# KiCad board Soldered Inkplate 6 FLICK.kicad_pcb
title: Soldered Inkplate 6 FLICK; date: 2024-05-20; rev: V1.2.0.; company: SOLDERED; note: 333317
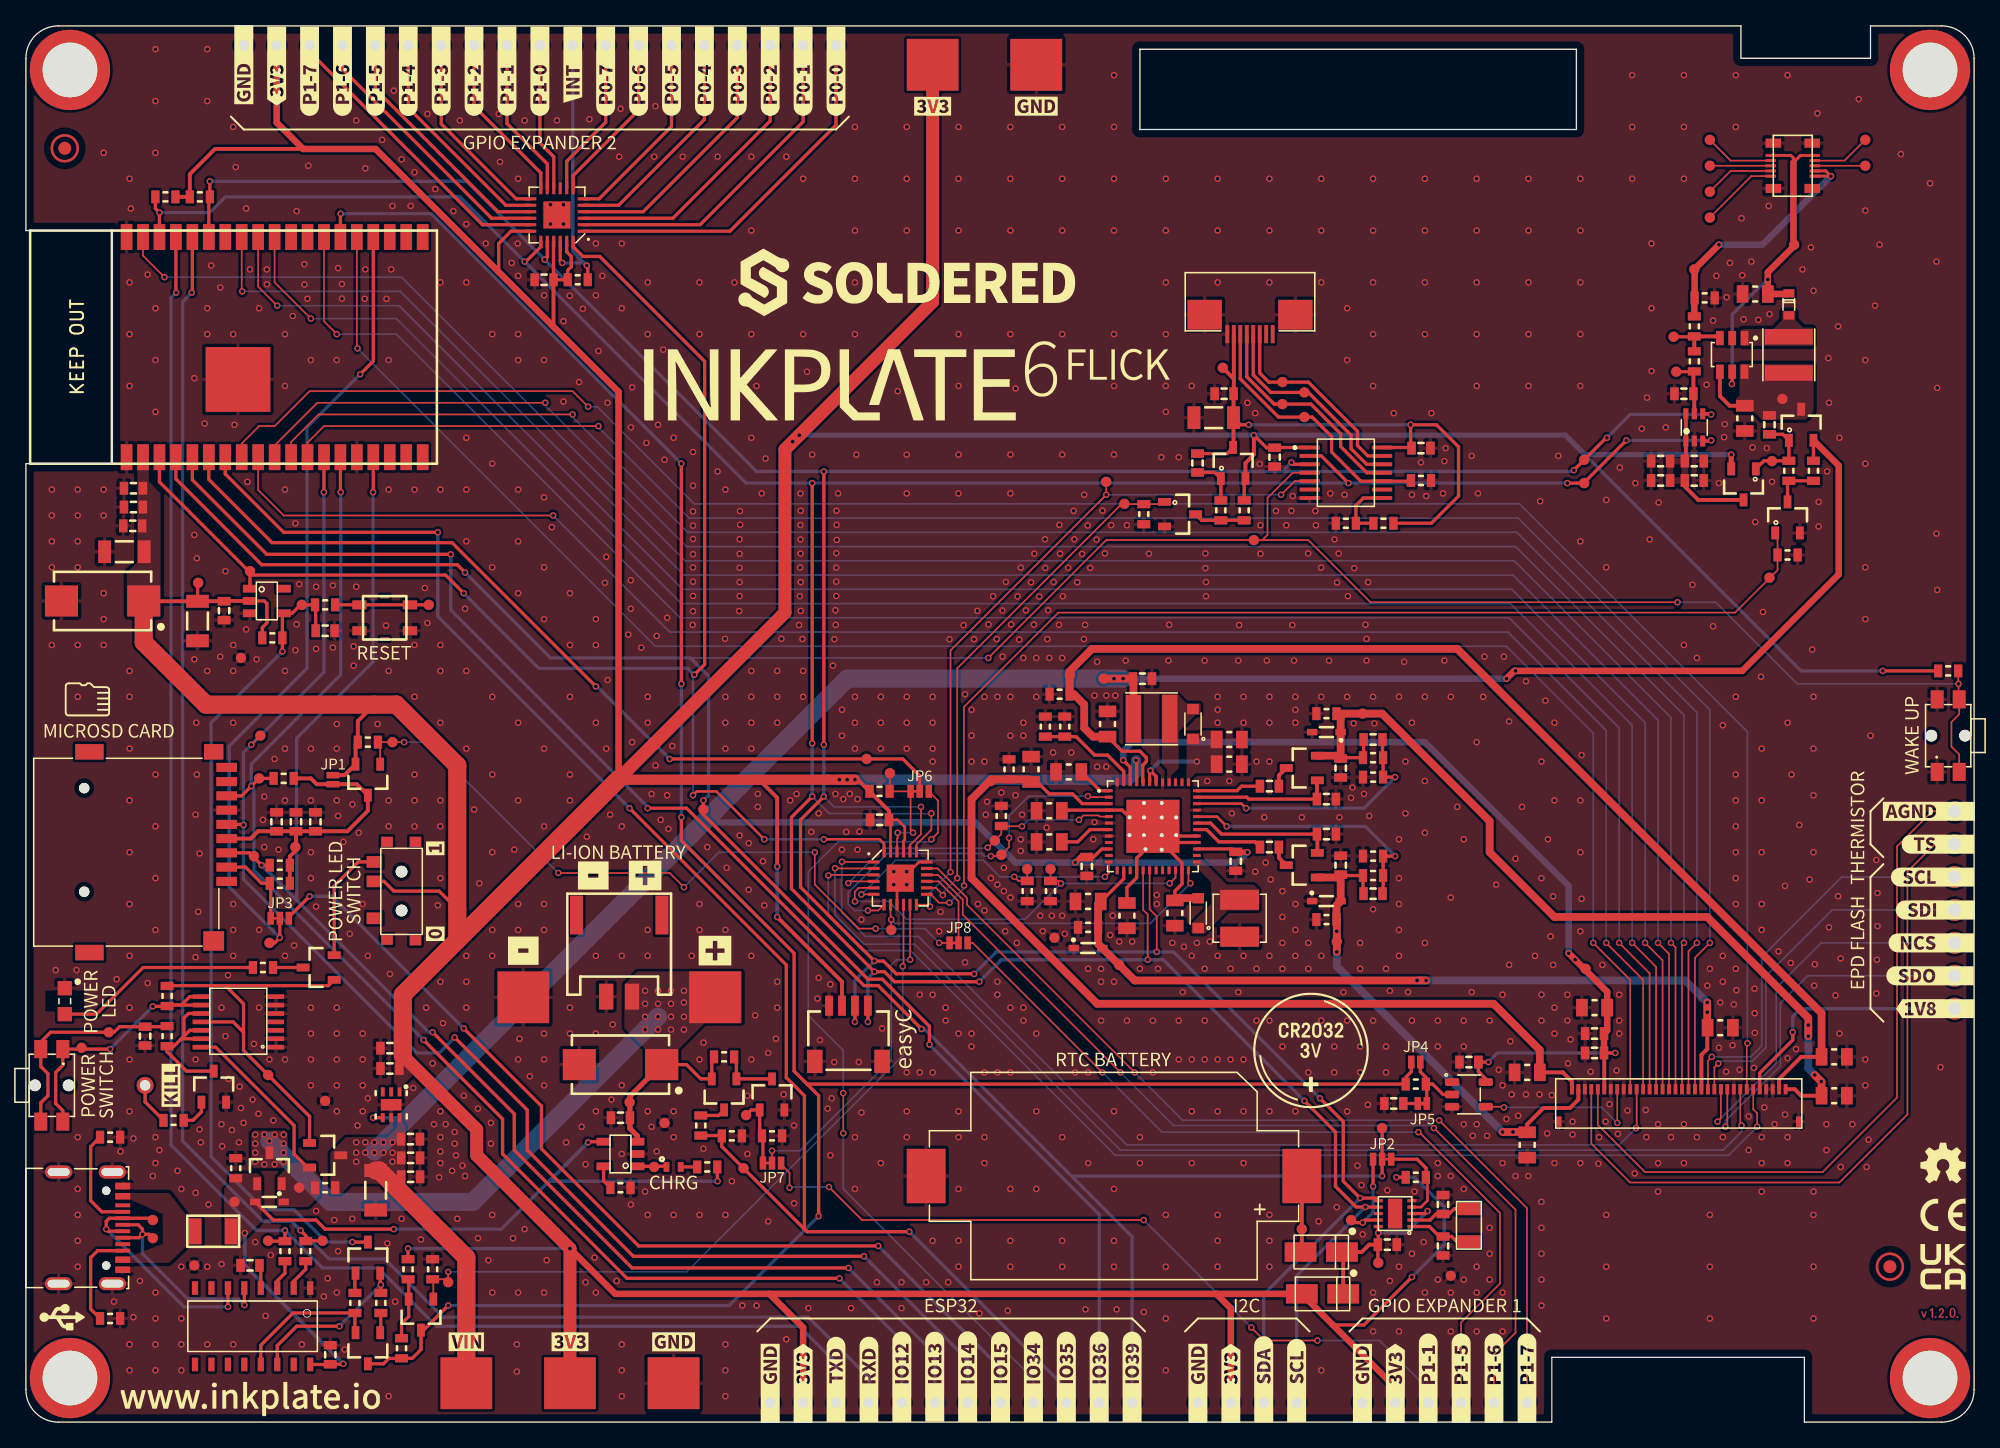
[diagram p0: board, top side]
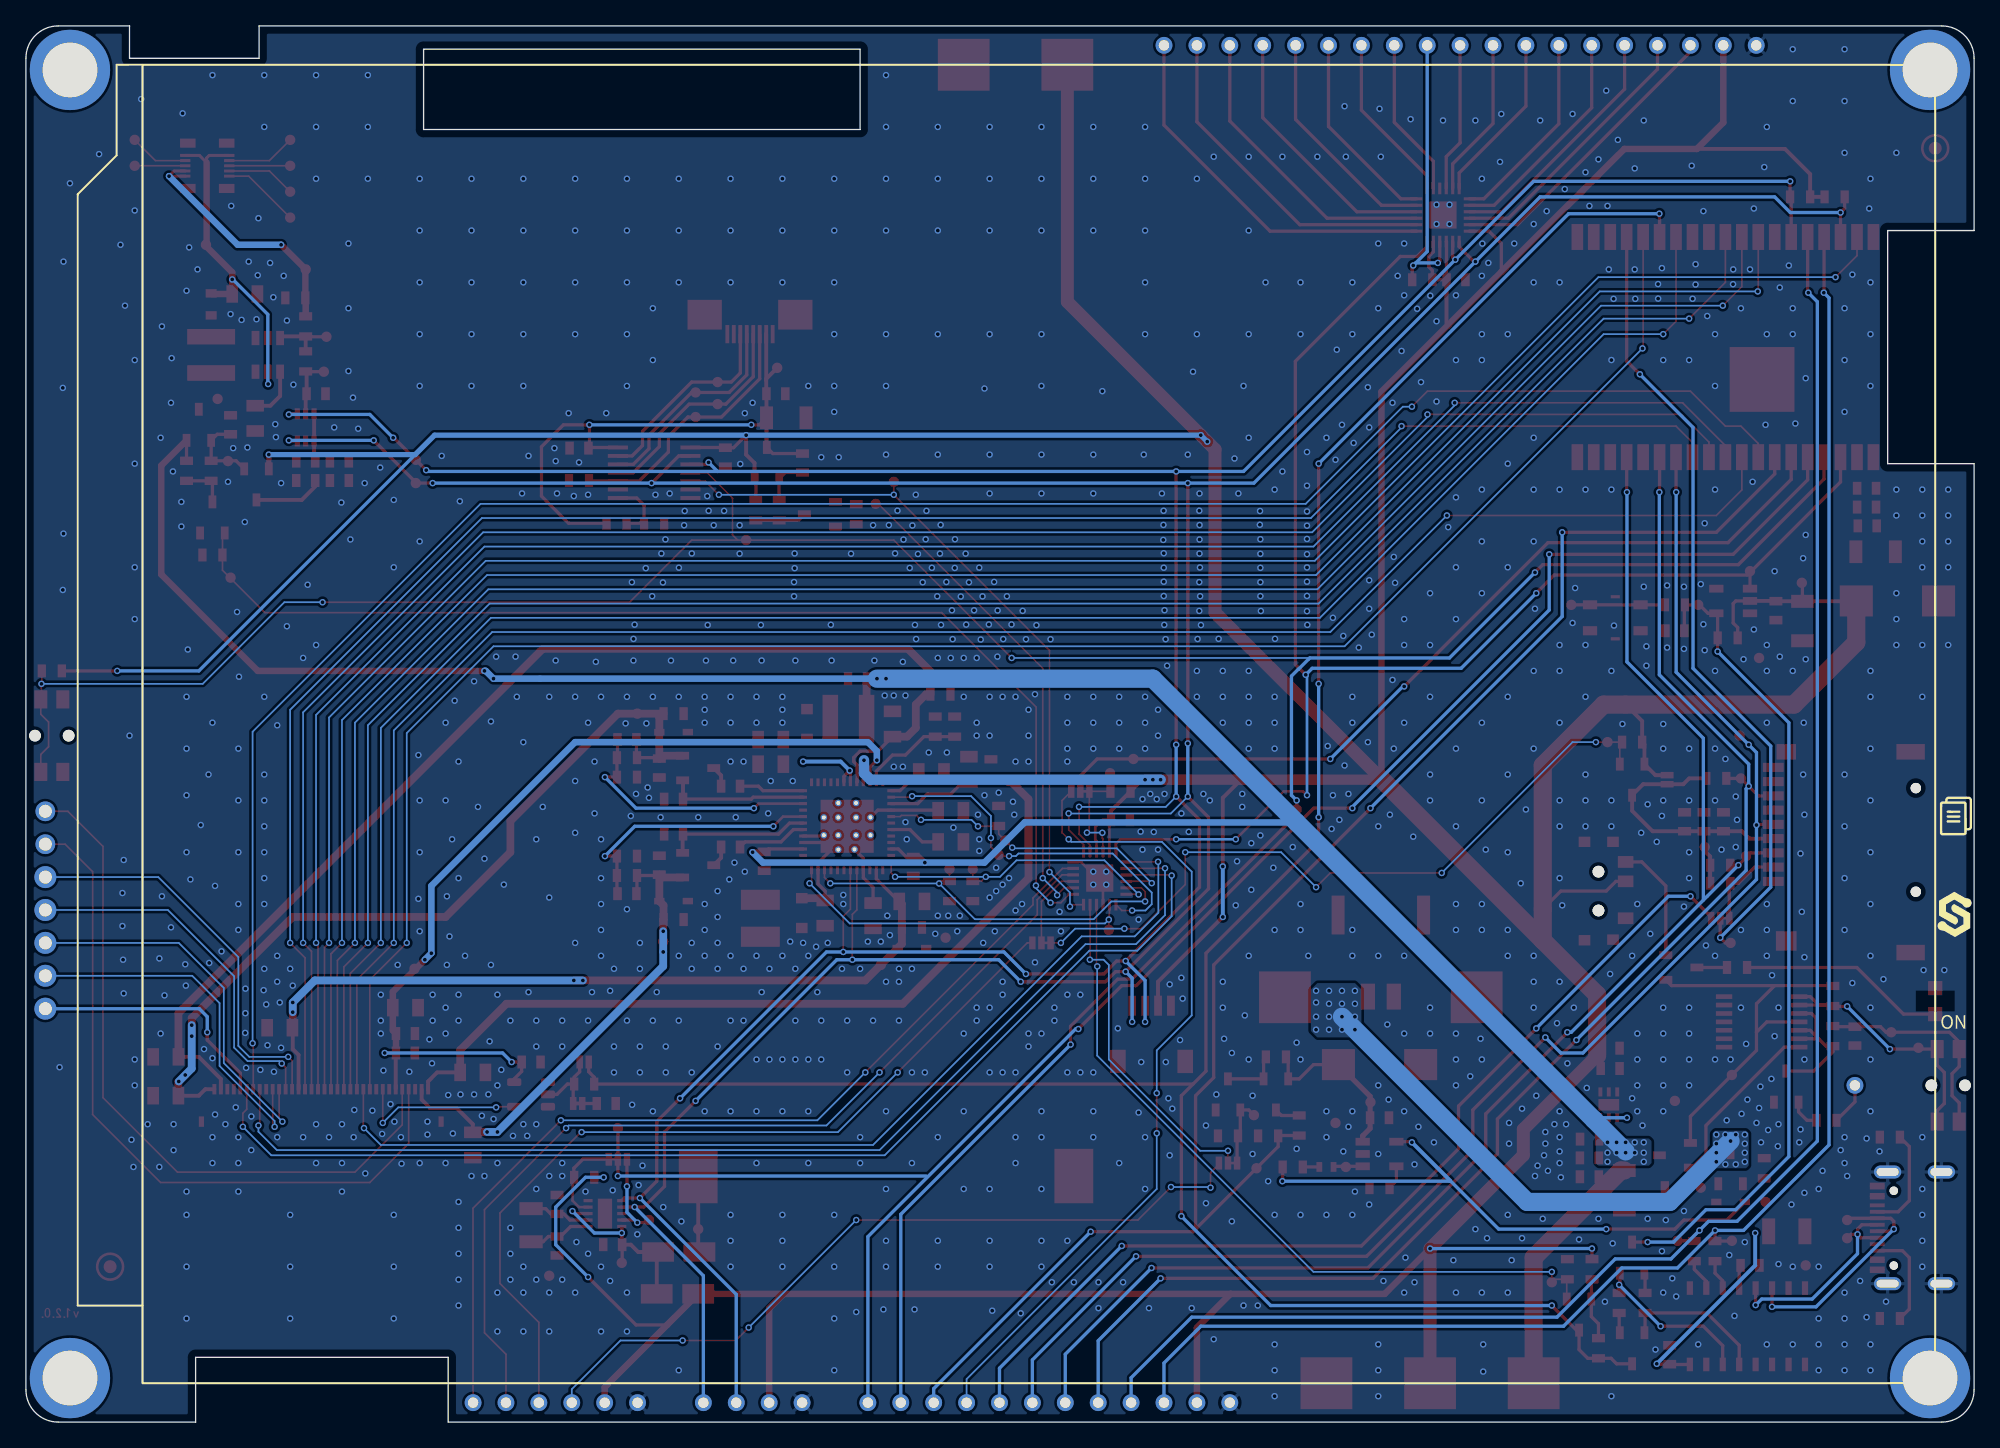
[diagram p1: board, bottom side, seen from below]

Outline 150.4 x 107.8 mm; copper layers: Top, Bottom. Coordinates in mm from the lower left corner of the outline.
Outline path: 0,105.3 arc(0.73,107.07) 2.5,107.8 132.4,107.8 132.4,105.3 142.4,105.3 142.4,107.8 147.9,107.8 arc(149.67,107.07) 150.4,105.3 150.4,2.5 arc(149.67,0.73) 147.9,0 137.3,0 137.3,5 117.8,5 117.8,0 2.5,0 arc(0.73,0.73) 0,2.5 0,74 6.67,74 6.67,92 0,92 0,105.3 ; 86,106 86,99.8 119.7,99.8 119.7,106 86,106
Stack: Top 0.035mm / dielectric 1.51mm FR4 er 4.5 / Bottom 0.035mm

## Placement (name value [footprint] x y rotation side)
C1  4u7-TMK212AB7475KG-T  [0805C]  80.5 50.2 0 top
C2  4u7-TMK212AB7475KG-T  [0805C]  77.6 50.4 270 top
C3  4u7-TMK212AB7475KG-T  [0805C]  79 47.2 0 top
C4  4u7-TMK212AB7475KG-T  [0805C]  79 44.8 0 top
C5  10u-GRM188R61E106KA73J  [0603C]  81.9 42.9 90 top
C6  4u7-TMK212AB7475KG-T  [0805C]  82 40.2 0 top
C7  4u7-TMK212AB7475KG-T  [0805C]  85 39.1 90 top
C8  10u-GRM188R61E106KA73J  [0603C]  93.4 43.3 90 top
C9  4u7-TMK212AB7475KG-T  [0805C]  88.7 39.3 270 top
C10  10u-GRM188R61E106KA73J  [0603C]  86.2 57.4 180 top
C11  4u7-TMK212AB7475KG-T  [0805C]  92.9 50.8 0 top
C12  4u7-TMK212AB7475KG-T  [0805C]  92.9 52.7 180 top
C13  4u7-TMK212AB7475KG-T  [0805C]  83.5 53.9 270 top
C14  2u2-GRM188R61E225MA12D  [0603C]  101.5 50.5 90 top
C15  2u2-GRM188R61E225MA12D  [0603C]  101.5 43 270 top
C16  100p  [0603C]  104 52.7 180 top
C17  100p  [0603C]  104 40.8 180 top
C18  10n-AC0603KRX7R8BB103  [0603C]  96 44.4 180 top
C19  10n-AC0603KRX7R8BB103  [0603C]  96 49.1 0 top
C20  100n-AC0603KRX7R8BB104  [0603C]  100.4 48.1 180 top
C21  100n-AC0603KRX7R8BB104  [0603C]  100.4 45.4 180 top
C22  100n  [0603C]  23.5 5.2 270 top
C23  100n  [0603C]  17.3 12.1 0 top
C24  10u  [1206C]  13.25 61.85 90 top
C25  100n  [0603C]  15.3 62.65 90 top
C26  2u2  [0603C]  23.1 61.1 180 top
C27  10u  [1206C]  27 17.9 90 top
C28  2u2  [0603C]  29.7 18.94 180 top
C29  100n  [0603C]  29.7 20.4 180 top
C30  100n  [0603C]  29.69 21.85 180 top
C31  100n  [0603C]  9.2 29.8 90 top
C32  DNP  [2917C]  45.9 27.6 180 top
C33  2u2  [0603C]  45.9 23.5 0 top
C34  100n  [0603C]  28.1 28.87 0 top
C35  2u2  [0603C]  28.1 27.3 0 top
C36  12p  [0603C]  109.4 13.6 90 top
C37  12p  [0603C]  109.4 16.8 270 top
C38  2u2  [0603C]  22.35 46.35 270 top
C39  100n  [0603C]  19.35 46.35 270 top
C40  100n  [0603C]  20.85 46.35 270 top
C41  100n  [0603C]  105.1 13.7 180 top
C42  100n  [0603C]  96.4 74.5 90 top
C43  100n  [0603C]  90.45 74.05 90 top
C44  10u  [1206C]  91.7 77.55 180 top
C45  100n  [0603C]  107.7 75.2 0 top
C46  4u7  [0603C]  126.2 72.7 180 top
C47  1u  [0603C]  128.8 72.7 0 top
C48  100n  [0603C]  126.2 74.2 180 top
C49  100n  [0603C]  128 79.4 0 top
C50  100n  [0603C]  128.8 74.2 180 top
C51  CL21B105KBFNNNG  [0805C]  133.5 87.1 0 top
C52  100n  [0603C]  134.6 77 90 top
C53  100n  [0603C]  92.5 79.4 0 top
C54  CL21B105KBFNNNG  [0805C]  132.7 77.5 90 top
C55  4u7-TMK212AB7475KG-T  [0805C]  121.1 32 0 top
C56  4u7-TMK212AB7475KG-T  [0805C]  115.9 27 0 top
C57  4u7-TMK212AB7475KG-T  [0805C]  115.9 21.4 90 top
C58  4u7-TMK212AB7475KG-T  [0805C]  130.8 30.45 180 top
C59  4u7-TMK212AB7475KG-T  [0805C]  139.6 28.2 180 top
C60  4u7-TMK212AB7475KG-T  [0805C]  139.6 25.2 180 top
C61  100p  [0603C]  105.6 24.6 0 top
C62  100n  [0603C]  121.1 30 180 top
C63  100n  [0603C]  121.1 28.5 180 top
C64  100n  [0603C]  111.4 27.8 0 top
C65  100n  [0603C]  65.9 46.5 0 top
C66  10u  [1206C]  7.6 67.2 0 top
C67  2u2  [0603C]  8.25 69.2 0 top
C68  100n  [0603C]  8.3 70.65 0 top
C69  100n  [0603C]  8.3 72.1 0 top
C70  DNP  [2917C]  5.92 63.4 180 top
C71  100n  [0603C]  40 88.2 0 top
D1  CUS10F30,H3F  [SOD-323-2]  90.5 39.3 90 top
D2  BAT20J  [SOD-323]  100.4 53.27 180 top
D3  BAT20J  [SOD-323]  82 36.6 0 top
D4  CUS10F30,H3F  [SOD-323-2]  90.1 53.9 90 top
D5  BAT20J  [SOD-323]  100.4 40.23 0 top
D6  BAT54S  [SOT-23-3]  98.5 43 180 top
D7  BAT54S  [SOT-23-3]  98.5 50.5 180 top
D8  0603LED_SIDE  [LTST-S270GKT]  3 32.5 90 top
D9  BAT20J  [SOD-323#2]  18.8 17 0 top
D10  RED  [0402LED]  50 19.7 180 top
D11  -  [M4_DIODA]  100.1 9.9 0 top
D12  -  [M4_DIODA]  100 13.13 0 top
D13  RB510SM-40FHT2R  [SOD-523]  136.1 86.3 0 top
F1  1206FUSE-500mA  [1206FUSE]  14.46 14.73 180 top
FD1  FIDUCIAL  [FIDUCIAL_23]  143.9 12 0 top
FD2  FIDUCIAL  [FIDUCIAL_23]  3 98.35 0 top
G***  LOGO  [Logo-Front-OSH-3.5mm]  148 20 0 top
G***#2  LOGO  [Logo-Front-easyC-NewFont]  67.9 29.6 90 top
G***#3  LOGO  [Symbol-Front-SDcard]  4.75 55.8 270 top
G***#4  LOGO  [Logo-Back-Soldered-3.5mm]  1.5 39.2 0 top
G***#5  LOGO  [Symbol-Front-USB]  2.8 8.1 270 top
G***#6  LOGO  [Symbol-Front-EPD]  1.4 46.8 180 bottom
H1  -  [Standoff_M3]  3.4 3.4 0 top
H2  -  [Standoff_M3]  147 3.4 0 top
H3  -  [Standoff_M3]  147 104.4 0 top
H4  -  [Standoff_M3]  3.4 104.4 0 top
JP1  -  [SMD_JUMPER]  23.7 49.6 90 top
JP2  -  [SMD_JUMPER_3_PAD_CONNECTED_LEFT_TRACE]  19.6 38.9 0 top
JP3  -  [SMD_JUMPER_3_PAD_CONNECTED_LEFT_TRACE]  104.7 20.3 180 top
JP4  -  [SMD_JUMPER]  107.3 27.8 0 top
JP5  -  [SMD-JUMPER-CONNECTED_TRACE_SOLDERMASK]  107.8 24.6 0 top
JP6  -  [SMD_JUMPER_3_PAD_CONNECTED_LEFT_TRACE]  69 48.7 0 top
JP7  -  [SMD_JUMPER_3_PAD_CONNECTED_LEFT_TRACE]  72 37 0 top
JP8  -  [SMD_JUMPER_3_PAD_CONNECTED_LEFT_TRACE]  57.6 20 0 top
K1  -  [U262-161N-4BVC11]  3 15 90 top
K2  easyC-SMD  [easyC-connector]  63.5 30 180 top
K3  -  [HEADER_MALE_1X1_Inkplate]  93.02 1.5 180 top
K4  -  [HEADER_MALE_1X1_Inkplate]  98.1 1.5 180 top
K5  -  [HEADER_MALE_1X1_Inkplate]  95.56 1.5 180 top
K6  -  [HEADER_MALE_1X1_Inkplate]  90.48 1.5 180 top
K7  -  [HEADER_MALE_1X1_Inkplate]  9.2 26 0 top
K8  -  [JST-2pin-SMD]  45.8 36 0 top
K9  -  [HYC77-TF09-200]  10 44 270 top
K10  CR2032_BS-6-1  [CR2032-BS-6-1]  84 19 0 top
K11  -  [AXT310124]  136.4 97 90 top
K12  -  [SFV8R-1STBE1HLF]  94.5 84 180 top
K13  -  [HEADER_MALE_2X1]  148.9 45.89 270 top
K14  -  [HEADER_MALE_5X1]  148.9 37 90 top
K15  -  [FH34SRJ-34S-0.5SH(50)]  127.6 25.7 0 top
K16  -  [HEADER_MALE_1X1_Inkplate]  77.78 1.5 180 top
K17  -  [HEADER_MALE_1X1_Inkplate]  60 1.5 0 top
K18  -  [HEADER_MALE_1X1_Inkplate]  57.46 1.5 0 top
K19  -  [HEADER_MALE_1X1_Inkplate]  80.32 1.5 180 top
K20  -  [HEADER_MALE_1X1_Inkplate]  62.54 1.5 180 top
K21  -  [HEADER_MALE_1X1_Inkplate]  113.34 1.5 180 top
K22  -  [HEADER_MALE_1X1_Inkplate]  115.88 1.5 180 top
K23  -  [HEADER_MALE_1X1_Inkplate]  65.08 1.5 180 top
K24  -  [HEADER_MALE_1X1_Inkplate]  72.7 1.5 180 top
K25  -  [HEADER_MALE_1X1_Inkplate]  67.62 1.5 180 top
K26  -  [HEADER_MALE_1X1_Inkplate]  70.16 1.5 180 top
K27  -  [HEADER_MALE_1X1_Inkplate]  110.8 1.5 180 top
K28  -  [HEADER_MALE_1X1_Inkplate]  108.26 1.5 180 top
K29  -  [HEADER_MALE_1X1_Inkplate]  62.54 106.3 180 top
K30  -  [HEADER_MALE_1X1_Inkplate]  60 106.3 180 top
K31  -  [HEADER_MALE_1X1_Inkplate]  57.46 106.3 180 top
K32  -  [HEADER_MALE_1X1_Inkplate]  54.92 106.3 180 top
K33  -  [HEADER_MALE_1X1_Inkplate]  52.38 106.3 180 top
K34  -  [HEADER_MALE_1X1_Inkplate]  49.84 106.3 180 top
K35  -  [HEADER_MALE_1X1_Inkplate]  47.3 106.3 180 top
K36  -  [HEADER_MALE_1X1_Inkplate]  44.76 106.3 180 top
K37  -  [HEADER_MALE_1X1_Inkplate]  85.4 1.5 180 top
K38  -  [HEADER_MALE_1X1_Inkplate]  82.86 1.5 180 top
K39  -  [HEADER_MALE_1X1_Inkplate]  75.24 1.5 180 top
K40  -  [HEADER_MALE_1X1_Inkplate]  42.22 106.3 180 top
K41  -  [HEADER_MALE_1X1_Inkplate]  105.72 1.5 0 top
K42  -  [HEADER_MALE_1X1_Inkplate]  103.18 1.5 0 top
K43  -  [HEADER_MALE_1X1_Inkplate]  39.68 106.3 180 top
K44  -  [HEADER_MALE_1X1_Inkplate]  37.14 106.3 180 top
K45  -  [HEADER_MALE_1X1_Inkplate]  34.6 106.3 180 top
K46  -  [HEADER_MALE_1X1_Inkplate]  32.06 106.3 180 top
K47  -  [HEADER_MALE_1X1_Inkplate]  29.52 106.3 180 top
K48  -  [HEADER_MALE_1X1_Inkplate]  26.98 106.3 180 top
K49  -  [HEADER_MALE_1X1_Inkplate]  24.44 106.3 180 top
K50  -  [HEADER_MALE_1X1_Inkplate]  21.9 106.3 180 top
K51  -  [HEADER_MALE_1X1_Inkplate]  19.36 106.3 180 top
K52  -  [HEADER_MALE_1X1_Inkplate]  16.82 106.3 180 top
kibuzzard-63F89A8C  G***  [kibuzzard-63F89A8C]  145.6 53 90 top
kibuzzard-63F89AAD  G***  [kibuzzard-63F89AAD]  84 28 0 top
kibuzzard-63F89AC1  G***  [kibuzzard-63F89AC1]  50 6.2 0 top
kibuzzard-63F89AC1#2  G***  [kibuzzard-63F89AC1]  78 101.6 0 top
kibuzzard-63F89ACB  G***  [kibuzzard-63F89ACB]  42 6.2 0 top
kibuzzard-63F89ACB#2  G***  [kibuzzard-63F89ACB]  70 101.6 0 top
kibuzzard-63F89AD4  G***  [kibuzzard-63F89AD4]  34 6.2 0 top
kibuzzard-63F89AE1  G***  [kibuzzard-63F89AE1]  50 18.5 0 top
kibuzzard-63F89AEB  G***  [kibuzzard-63F89AEB]  45.8 44 0 top
kibuzzard-63F89B38  G***  [kibuzzard-63F89B38]  31.6 37.7 90 top
kibuzzard-63F89B49  G***  [kibuzzard-63F89B49]  31.6 44.3 90 top
kibuzzard-63F89F9C  G***  [kibuzzard-63F89F9C]  53.2 36.4 0 top
kibuzzard-63F89F95  G***  [kibuzzard-63F89F95]  47.8 42.2 0 top
kibuzzard-63F89FA3  G***  [kibuzzard-63F89FA3]  43.8 42.2 0 top
kibuzzard-63F89FAA  G***  [kibuzzard-63F89FAA]  38.4 36.4 0 top
kibuzzard-63F89728  G***  [kibuzzard-63F89728]  11.2 26 90 top
kibuzzard-63F89858  G***  [kibuzzard-63F89858]  71.43 9 0 top
kibuzzard-65560DD7  G***  [kibuzzard-65560DD7]  1.6 30.9 180 bottom
kibuzzard-65560E5E  G***  [kibuzzard-65560E5E]  19.6 40.1 0 top
kibuzzard-65560E6D  G***  [kibuzzard-65560E6D]  23.7 50.8 0 top
kibuzzard-65560EA2  G***  [kibuzzard-65560EA2]  57.6 18.9 0 top
kibuzzard-65560EC9  G***  [kibuzzard-65560EC9]  72 38.2 0 top
kibuzzard-65560F4D  G***  [kibuzzard-65560F4D]  69 49.9 0 top
kibuzzard-65560F7C  G***  [kibuzzard-65560F7C]  107.3 29 0 top
kibuzzard-65560FAB  G***  [kibuzzard-65560FAB]  107.8 23.4 0 top
kibuzzard-65560FCB  G***  [kibuzzard-65560FCB]  104.7 21.5 0 top
kibuzzard-65561A0E  G***  [kibuzzard-65561A0E]  113.34 3.4 90 top
kibuzzard-65561A24  G***  [kibuzzard-65561A24]  115.88 3.4 90 top
kibuzzard-65561A56  G***  [kibuzzard-65561A56]  21.9 104.3 90 top
kibuzzard-65561A76  G***  [kibuzzard-65561A76]  44.76 104.3 90 top
kibuzzard-65561A88  G***  [kibuzzard-65561A88]  47.3 104.3 90 top
kibuzzard-65561AB2  G***  [kibuzzard-65561AB2]  24.44 104.3 90 top
kibuzzard-65561ABA  G***  [kibuzzard-65561ABA]  26.98 104.3 90 top
kibuzzard-65561AC2  G***  [kibuzzard-65561AC2]  29.52 104.3 90 top
kibuzzard-65561ACC  G***  [kibuzzard-65561ACC]  32.06 104.3 90 top
kibuzzard-65561AD5  G***  [kibuzzard-65561AD5]  34.6 104.3 90 top
kibuzzard-65561AE0  G***  [kibuzzard-65561AE0]  37.14 104.3 90 top
kibuzzard-65561AE8  G***  [kibuzzard-65561AE8]  39.68 104.3 90 top
kibuzzard-65561AF6  G***  [kibuzzard-65561AF6]  49.84 104.3 90 top
kibuzzard-65561B2D  G***  [kibuzzard-65561B2D]  57.46 104.3 90 top
kibuzzard-65561B09  G***  [kibuzzard-65561B09]  52.38 104.3 90 top
kibuzzard-65561B26  G***  [kibuzzard-65561B26]  54.92 104.3 90 top
kibuzzard-65561B35  G***  [kibuzzard-65561B35]  60 104.3 90 top
kibuzzard-65561B41  G***  [kibuzzard-65561B41]  62.54 104.3 90 top
kibuzzard-65561B57  G***  [kibuzzard-65561B57]  42.22 104.8 90 top
kibuzzard-65561DE5  G***  [kibuzzard-65561DE5]  147.2 42.08 0 top
kibuzzard-65561DF9  G***  [kibuzzard-65561DF9]  147.4 39.54 0 top
kibuzzard-65561E0C  G***  [kibuzzard-65561E0C]  147 34.46 0 top
kibuzzard-65561E1E  G***  [kibuzzard-65561E1E]  147.4 31.92 0 top
kibuzzard-65561E03  G***  [kibuzzard-65561E03]  147.1 37 0 top
kibuzzard-65647A0D  G***  [kibuzzard-65647A0D]  146.9 47.16 0 top
kibuzzard-65647A02  G***  [kibuzzard-65647A02]  147.6 44.62 0 top
kibuzzard-655603AE  G***  [kibuzzard-655603AE]  6.4 32.5 90 top
kibuzzard-655616C1  G***  [kibuzzard-655616C1]  94.29 9 0 top
kibuzzard-655616E7  G***  [kibuzzard-655616E7]  109.53 9 0 top
kibuzzard-655618EE  G***  [kibuzzard-655618EE]  62.54 3.3 90 top
kibuzzard-655619A9  G***  [kibuzzard-655619A9]  82.86 3.5 90 top
kibuzzard-655619B1  G***  [kibuzzard-655619B1]  85.4 3.5 90 top
kibuzzard-655619BF  G***  [kibuzzard-655619BF]  95.56 3.3 90 top
kibuzzard-655619C8  G***  [kibuzzard-655619C8]  98.1 3.2 90 top
kibuzzard-655619E4  G***  [kibuzzard-655619E4]  108.26 3.4 90 top
kibuzzard-655619F2  G***  [kibuzzard-655619F2]  110.8 3.4 90 top
kibuzzard-656479A8  G***  [kibuzzard-656479A8]  141.4 45.89 90 top
kibuzzard-656479D1  G***  [kibuzzard-656479D1]  141.4 37 90 top
kibuzzard-6556039F  G***  [kibuzzard-6556039F]  5 32.5 90 top
kibuzzard-6556039F#2  G***  [kibuzzard-6556039F]  4.8 26 90 top
kibuzzard-6556119D  G***  [kibuzzard-6556119D]  27.7 59.4 0 top
kibuzzard-6556183B  G***  [kibuzzard-6556183B]  103.18 3 90 top
kibuzzard-6556188F  G***  [kibuzzard-6556188F]  93.02 3 90 top
kibuzzard-6556197A  G***  [kibuzzard-6556197A]  77.78 3.5 90 top
kibuzzard-65560380  G***  [kibuzzard-65560380]  6.42 53.38 0 top
kibuzzard-65560429  G***  [kibuzzard-65560429]  6.2 26 90 top
kibuzzard-65561107  G***  [kibuzzard-65561107]  23.9 41 90 top
kibuzzard-65561113  G***  [kibuzzard-65561113]  25.3 41 90 top
kibuzzard-65561706  G***  [kibuzzard-65561706]  39.68 98.8 0 top
kibuzzard-65561816  G***  [kibuzzard-65561816]  57.46 3 90 top
kibuzzard-65561831  G***  [kibuzzard-65561831]  90.48 3 90 top
kibuzzard-65561847  G***  [kibuzzard-65561847]  16.82 104.8 90 top
kibuzzard-65561857  G***  [kibuzzard-65561857]  19.36 104.7 90 top
kibuzzard-65561874  G***  [kibuzzard-65561874]  60 3 90 top
kibuzzard-65561898  G***  [kibuzzard-65561898]  105.72 3 90 top
kibuzzard-65561923  G***  [kibuzzard-65561923]  65.08 3.3 90 top
kibuzzard-65561939  G***  [kibuzzard-65561939]  67.62 3.5 90 top
kibuzzard-65561947  G***  [kibuzzard-65561947]  70.16 3.5 90 top
kibuzzard-65561959  G***  [kibuzzard-65561959]  72.7 3.5 90 top
kibuzzard-65561965  G***  [kibuzzard-65561965]  75.24 3.5 90 top
kibuzzard-65561998  G***  [kibuzzard-65561998]  80.32 3.5 90 top
L1  LQH44PN4R7MP0L  [1515L]  93.7 38.9 90 top
L2  NR4012T2R2M  [NR4012]  86.9 54.3 0 top
L3  NR4012T220M  [NR4012]  136.1 82.4 270 top
PAD1  -  [PAD_4x4]  34 3 0 top
PAD2  -  [PAD_4x4]  70 104.8 0 top
PAD3  -  [PAD_4x4]  42 3 0 top
PAD4  -  [PAD_4x4]  78 104.8 0 top
PAD5  -  [PAD_4x4]  50 3 0 top
PAD6  -  [PAD_4x4]  53.2 32.8 0 top
PAD7  -  [PAD_4x4]  38.4 32.8 0 top
Q1  DNP  [SOT-23-3]  30.5 8.3 270 top
Q2  NMOS  [SOT-23-3]  57.6 25.3 90 top
Q3  PMOS  [SOT-23-3]  53.9 25.3 270 top
Q4  NPN  [SOT-23-3]  26.4 12.7 90 top
Q5  NPN  [SOT-23-3]  26.4 5.7 270 top
Q6  PMOS  [SOT-23-3]  22.6 35.1 180 top
Q7  SSM3J358R,LF  [SOT-23-3]  18.8 19.6 90 top
Q8  NPN  [SOT-23-3]  14.5 25.9 90 top
Q9  SSM3J358R,LF  [SOT-23-3]  23.1 20.6 0 top
Q10  PMOS  [SOT-23-3]  26.4 49.6 270 top
Q11  NMOS  [SOT-23-3#2]  89.1 70.1 180 top
Q12  PMOS  [SOT-23-3#2]  93.2 74.05 270 top
Q13  PMOS  [SOT-23-3#2]  132.6 72.4 90 top
Q14  NMOS  [SOT-23-3#2]  136 69.85 270 top
Q15  PMOS  [SOT-23-3#2]  137.05 77 270 top
R1  NTC-NCP18XH103F03RB  [0603R]  78.7 53.7 270 top
R2  43k-RC0603FR-0743KL  [0603R]  80.2 53.7 270 top
R3  10k  [0603R]  10.77 94.6 0 top
R4  10k  [0603R]  13.43 94.6 180 top
R5  100k  [0603R]  75.3 46.8 90 top
R6  100k  [0603R]  77.3 41 270 top
R7  100k  [0603R]  79.1 41 270 top
R8  4k7  [0603R]  75.9 50.4 90 top
R9  4k7  [0603R]  79.8 56.2 180 top
R10  4k7  [0603R]  100.4 54.7 0 top
R11  4k7  [0603R]  82 38.2 0 top
R12  4k7  [0603R]  100.4 38.8 0 top
R13  1M  [0603R]  104 51.3 180 top
R14  47k5-RC0603FR-0747K5L  [0603R]  104 49.8 0 top
R15  1M  [0603R]  104 42.2 180 top
R16  52k3-RC0603FR-0752K3L  [0603R]  104 43.7 0 top
R17  5k1  [0603R]  6.5 8 0 top
R18  5k1  [0603R]  6.5 22 0 top
R19  DNP  [0603R]  31.4 11.8 270 top
R20  1k  [0603R]  29.5 11.8 90 top
R21  0R  [0603R]  29 5.7 90 top
R22  1k  [0603R]  20 13.2 90 top
R23  1k  [0603R]  21.6 13.2 90 top
R24  100k  [0603R]  57.6 22.1 180 top
R25  510k  [0603R]  53.9 28.2 180 top
R26  47R  [0603R]  23.1 63.1 180 top
R27  100k  [0603R]  52.1 22.9 90 top
R28  100k  [0603R]  54.5 22.1 180 top
R29  47k  [0603R]  19.03 60.55 180 top
R30  33k  [0603R]  25.4 9.2 270 top
R31  33k  [0603R]  27.4 9.2 90 top
R32  1k  [0603R]  18.3 35.1 180 top
R33  100k  [0603R]  16.2 19.6 270 top
R34  1k  [0603R]  11.4 23.3 180 top
R35  100k  [0603R]  10.9 32.9 90 top
R36  DNP  [0603R]  23.1 18.1 0 top
R37  100k  [0603R]  10.9 29.8 270 top
R38  1k  [0603R]  52.6 19.7 180 top
R39  2k49  [0603R]  45.9 18.1 0 top
R40  100k  [0603R]  26.4 52.5 0 top
R41  100k  [0603R]  148.4 58 180 top
R42  100k  [0603R]  19.6 41.6 0 top
R43  100k  [0603R]  19.6 43 0 top
R44  10k  [0603R]  107.3 18.9 180 top
R45  100k  [0603R]  19.9 49.7 0 top
R46  100k  [0603R]  86.3 70.1 90 top
R47  100k  [0603R]  94.05 70.4 90 top
R48  100k  [0603R]  92.25 70.4 270 top
R49  10k  [0603R]  104.8 69.4 0 top
R50  100k  [0603R]  101.9 69.4 180 top
R51  100k  [0603R]  136 66.95 180 top
R52  100k  [0603R]  138 73.45 90 top
R53  100k  [0603R]  136.1 73.45 90 top
R54  15R  [0603R]  129.6 86.8 180 top
R55  5k1  [0603R]  128.8 84.6 270 top
R56  47k  [0603R]  128.8 81.9 270 top
R57  100k  [0603R]  107.7 72.7 0 top
R58  47R  [0603R]  107.3 26.1 0 top
R59  10k  [0603R]  65.9 48.7 0 top
R60  10k  [0603R]  42.6 88.2 0 top
REF**  -  [Version1.2.0]  147.8 8.4 0 top
REF**#2  -  [Logo-Front-UKCA-3.5mm]  148 12 0 top
REF**#3  -  [Logo-Front-SolderedFULL-26mm]  68 88 0 top
REF**#4  -  [Logo-Front-CE-3.5mm]  148 16 0 top
REF**#5  -  [Symbol-Front-CR2032]  99.2 28.7 0 top
REF**#6  -  [Logo-Front-InkplateWebPage-20mm]  17.33 1.78 0 top
REF**#7  -  [Logo-Front-Inkplate-6-FLICK]  68 81 0 top
S1  -  [SK-3296S-01-L1]  29 41 270 top
SW1  -  [YTSA007A0151803B]  27.7 62.1 180 top
SW2  -  [K2-1114SA-A4SW-06]  2 26 270 top
SW3  -  [K2-1114SA-A4SW-06]  148.4 53 90 top
TP1  -  [Test_Point_SMD_0.8mm]  130 93 0 top
TP2  -  [Test_Point_SMD_0.8mm]  130 95 0 top
TP3  -  [Test_Point_SMD_0.8mm]  142 97 0 top
TP4  -  [Test_Point_SMD_0.8mm]  130 97 0 top
TP5  -  [Test_Point_SMD_0.8mm]  142 99 0 top
TP6  -  [Test_Point_SMD_0.8mm]  130 99 0 top
TP7  -  [Test_Point_SMD_0.8mm]  120.3 72.5 0 top
TP8  -  [Test_Point_SMD_0.8mm]  120.3 74.3 0 top
TP9  -  [Test_Point_SMD_0.8mm]  29.1 31 0 top
TP10  -  [Test_Point_SMD_0.8mm]  29.3 17.4 0 top
TP11  -  [Test_Point_SMD_0.8mm]  16.1 17 0 top
TP12  -  [Test_Point_SMD_0.8mm]  21.1 18.1 0 top
TP13  -  [Test_Point_SMD_0.8mm]  23.1 24.8 0 top
TP14  -  [Test_Point_SMD_0.8mm]  32.6 10.8 0 top
TP15  -  [Test_Point_SMD_0.8mm]  22.9 14 0 top
TP16  -  [Test_Point_SMD_0.8mm]  18.7 14 0 top
TP17  -  [Test_Point_SMD_0.8mm]  9.8 15.6 0 top
TP18  -  [Test_Point_SMD_0.8mm]  9.8 14.2 0 top
TP19  -  [Test_Point_SMD_0.8mm]  13 12.1 0 top
TP20  -  [Test_Point_SMD_0.8mm]  94.8 68.1 0 top
TP21  -  [Test_Point_SMD_0.8mm]  83.4 72.6 0 top
TP22  -  [Test_Point_SMD_0.8mm]  84.8 70.9 0 top
TP23  -  [Test_Point_SMD_0.8mm]  83.2 57.4 0 top
TP24  -  [Test_Point_SMD_0.8mm]  61.9 49.6 0 top
TP25  -  [Test_Point_SMD_0.8mm]  74.5 49.5 0 top
TP26  -  [Test_Point_SMD_0.8mm]  80.6 57.7 0 top
TP27  -  [Test_Point_SMD_0.8mm]  101.2 37.1 0 top
TP28  -  [Test_Point_SMD_0.8mm]  97 80.3 0 top
TP29  -  [Test_Point_SMD_0.8mm]  98.7 79.5 0 top
TP30  -  [Test_Point_SMD_0.8mm]  97 78.6 0 top
TP31  -  [Test_Point_SMD_0.8mm]  98.7 77.6 0 top
TP32  -  [Test_Point_SMD_0.8mm]  92.4 81.4 0 top
TP33  -  [Test_Point_SMD_0.8mm]  103.2 54.7 0 top
TP34  -  [Test_Point_SMD_0.8mm]  84.4 35.3 0 top
TP35  -  [Test_Point_SMD_0.8mm]  120.4 35 0 top
TP36  -  [Test_Point_SMD_0.8mm]  79.1 42.7 0 top
TP37  -  [Test_Point_SMD_0.8mm]  74.8 44.9 0 top
TP38  -  [Test_Point_SMD_0.8mm]  77.3 42.7 0 top
TP39  -  [Test_Point_SMD_0.8mm]  75.3 43.8 0 top
TP40  -  [Test_Point_SMD_0.8mm]  66.8 38 0 top
TP41  -  [Test_Point_SMD_0.8mm]  79.4 37.4 0 top
TP42  -  [Test_Point_SMD_0.8mm]  127.4 81.1 0 top
TP43  -  [Test_Point_SMD_0.8mm]  128.8 89 0 top
TP44  -  [Test_Point_SMD_0.8mm]  136.5 90.9 0 top
TP45  -  [Test_Point_SMD_0.8mm]  135.6 79 0 top
TP46  -  [Test_Point_SMD_0.8mm]  134.8 74.2 0 top
TP47  -  [Test_Point_SMD_0.8mm]  134.6 65.2 0 top
TP48  -  [Test_Point_SMD_0.8mm]  127.2 83.8 0 top
TP49  -  [Test_Point_SMD_0.8mm]  46.6 24.7 0 top
TP50  -  [Test_Point_SMD_0.8mm]  48.5 19.7 0 top
TP51  -  [Test_Point_SMD_0.8mm]  49.3 23.1 0 top
TP52  -  [Test_Point_SMD_0.8mm]  20.8 44.4 0 top
TP53  -  [Test_Point_SMD_0.8mm]  28.3 52.5 0 top
TP54  -  [Test_Point_SMD_0.8mm]  18.8 37 0 top
TP55  -  [Test_Point_SMD_0.8mm]  17.6 43.7 0 top
TP56  -  [Test_Point_SMD_0.8mm]  18.1 53 0 top
TP57  -  [Test_Point_SMD_0.8mm]  18 49.7 0 top
TP58  -  [Test_Point_SMD_0.8mm]  64.9 51.2 0 top
TP59  -  [Test_Point_SMD_0.8mm]  66.7 50.1 0 top
TP60  -  [Test_Point_SMD_0.8mm]  55.6 23.7 0 top
TP61  -  [Test_Point_SMD_0.8mm]  55.4 19.6 0 top
TP62  -  [Test_Point_SMD_0.8mm]  4.3 28.9 0 top
TP63  -  [Test_Point_SMD_0.8mm]  6.4 30.1 0 top
TP64  -  [Test_Point_SMD_0.8mm]  18.7 26.8 0 top
TP65  -  [Test_Point_SMD_0.8mm]  13.3 64.8 0 top
TP66  -  [Test_Point_SMD_0.8mm]  17.3 65.7 0 top
TP67  -  [Test_Point_SMD_0.8mm]  21.3 63.1 0 top
TP68  -  [Test_Point_SMD_0.8mm]  31.1 63.1 0 top
TP69  -  [Test_Point_SMD_0.8mm]  16.6 59 0 top
TP70  -  [Test_Point_SMD_0.8mm]  52.3 47.3 0 top
TP71  -  [Test_Point_SMD_0.8mm]  104.4 12.3 0 top
TP72  -  [Test_Point_SMD_0.8mm]  98.5 14.9 0 top
TP73  -  [Test_Point_SMD_0.8mm]  104.7 22.7 0 top
TP74  -  [Test_Point_SMD_0.8mm]  102.3 15.6 0 top
TP75  -  [Test_Point_SMD_0.8mm]  110 11.3 0 top
U1  TPS65186RGZ  [VQFN-49]  87 46 0 top
U2  CH340C  [SOP-16]  17.5 7.4 270 top
U3  TPS3840PL27DBVR  [SOT-23-5]  18.6 63.4 0 top
U4  MC14093BDTR2G  [TSSOP-14]  16.4 30.9 180 top
U5  -  [TPS7A2633DRVR]  28.2 24.5 270 top
U6  MCP73831T  [SOT-23-5]  45.9 20.7 180 top
U7  -  [PCF85063A]  105.7 16.1 180 top
U8  -  [TXS0104EPWR]  101.9 73.3 0 top
U9  MCP47A1  [MCP47A1-SOT23-6]  128.8 76.8 90 top
U10  AP5726WG-7  [SOT26]  131.72 82.4 180 top
U11  -  [ED060XC3]  72.2 53.9 0 top
U12  -  [SN74LVC1G34DBV]  111.4 25.3 0 top
U13  -  [PCAL6416AHF,128]  67.5 42 0 top
U14  -  [ESP32-WROVER]  19.2 83 90 top
U15  -  [PCAL6416AHF,128]  41 93.2 180 top
X1  7LC32768F12UC  [ABS07AIG-32.768KHZ-7-D-T]  111.4 15.2 90 top

## Library data of the parts
D10 = -: Package: 0402
